# Altium PCB PCB_UDC_PlacaControle_V2.0.PcbDoc (part 1 of 7) (continued)
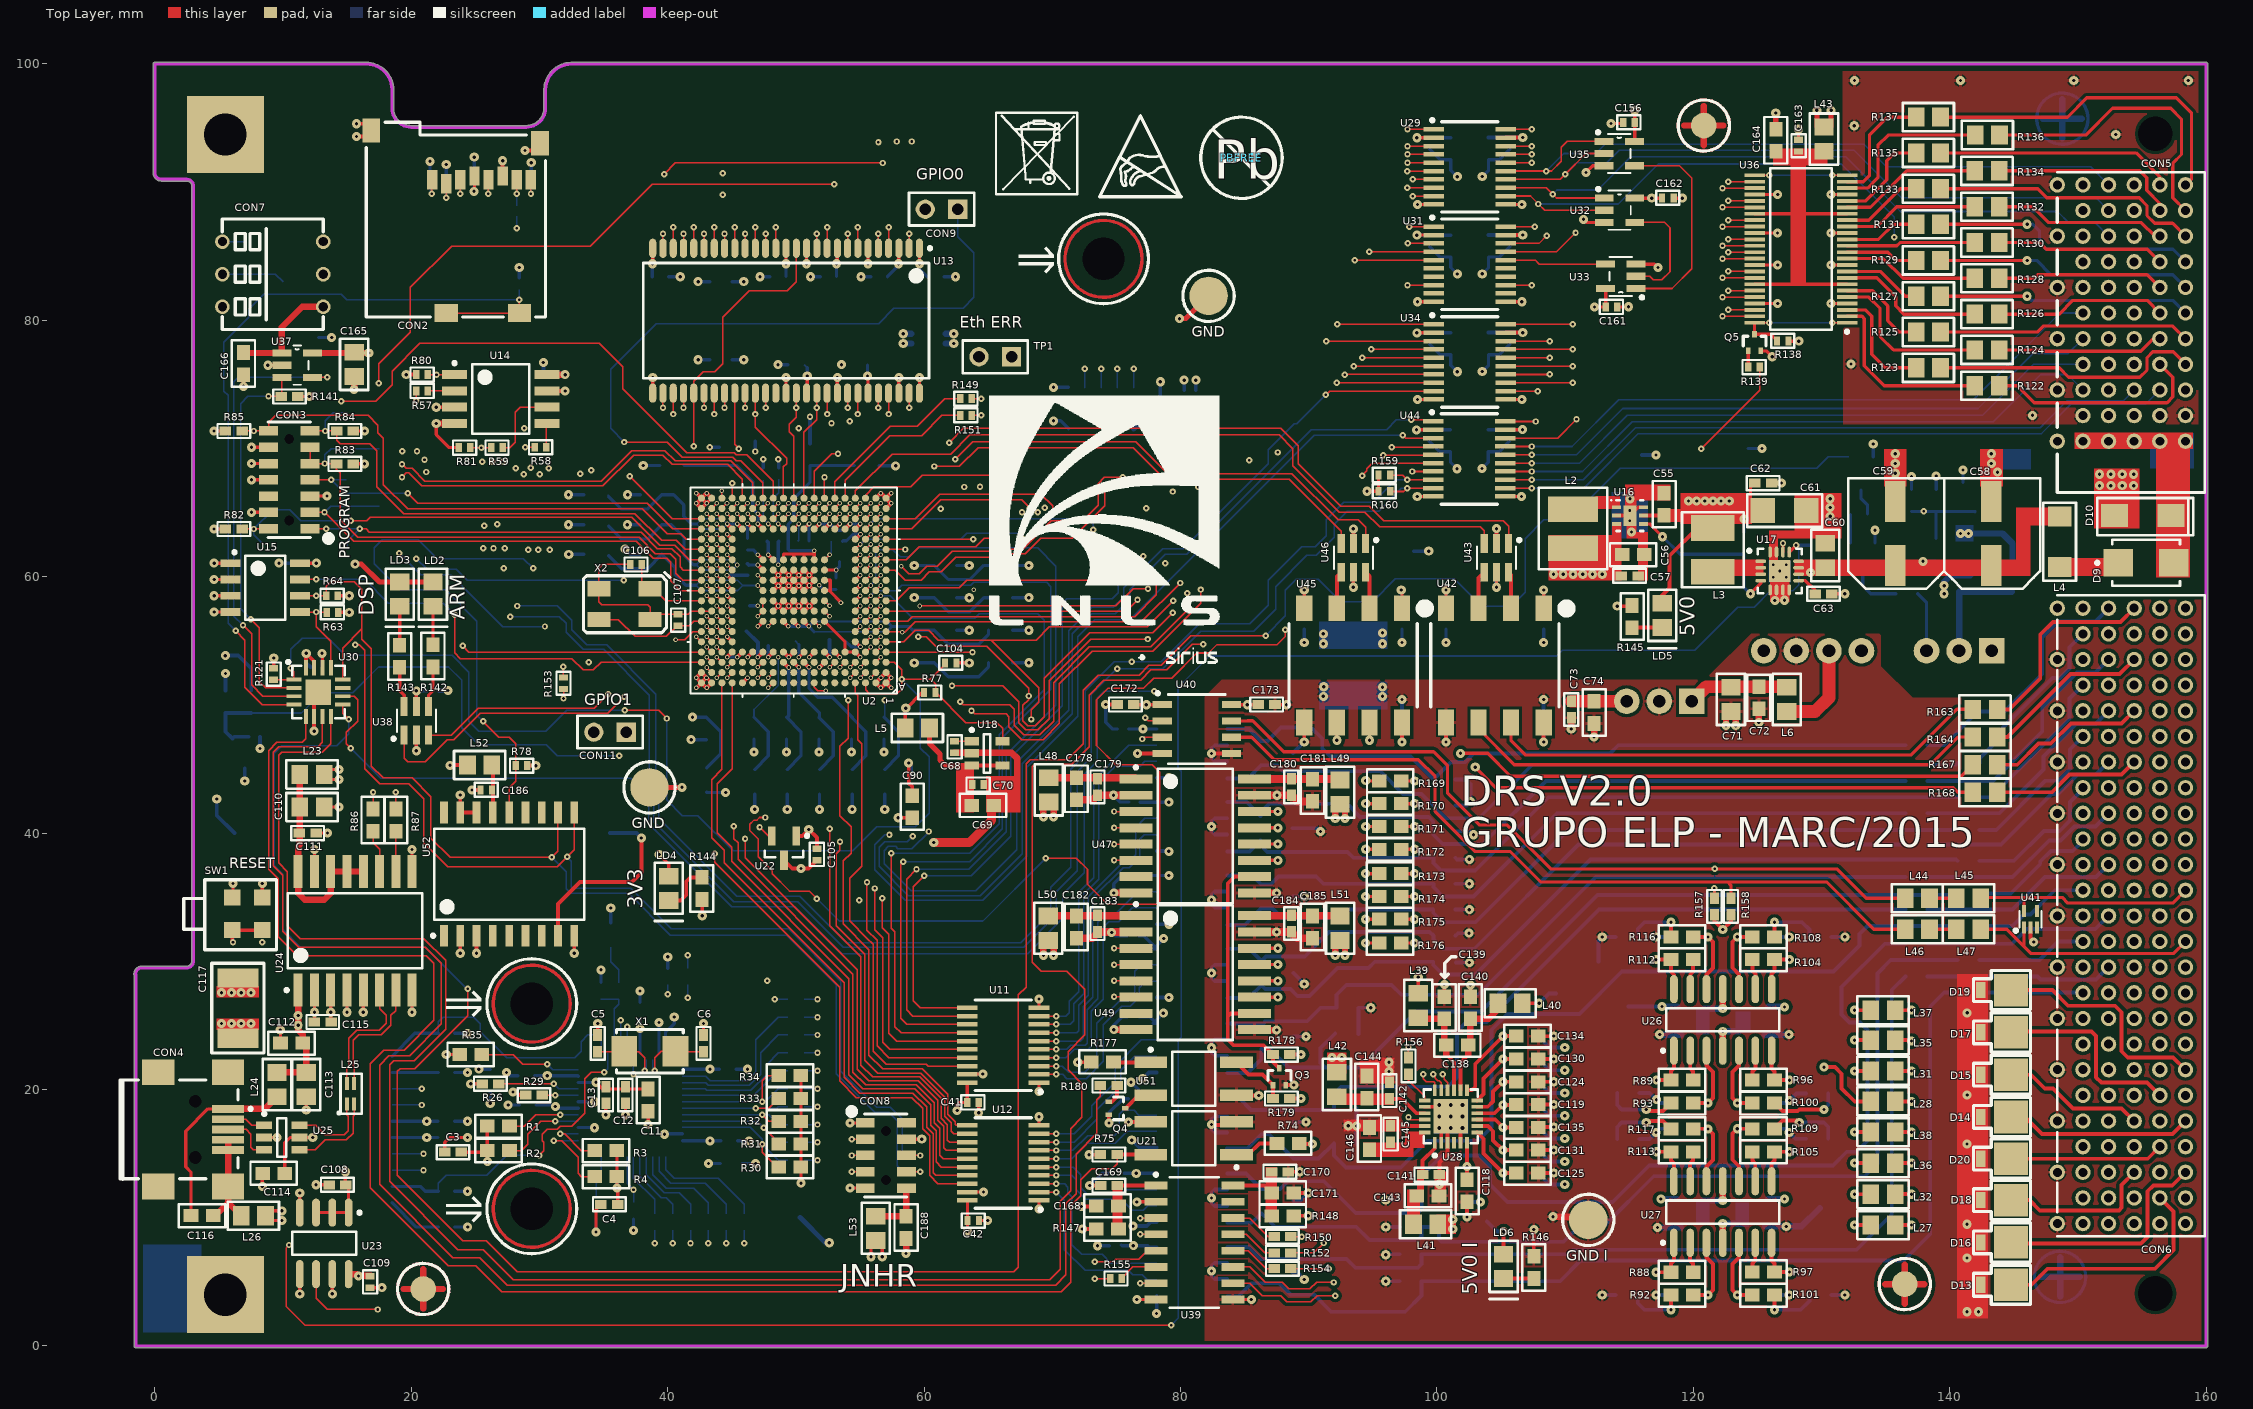
[diagram p0: Top Layer view]
## Components (designator, comment, footprint, x,y, rotation, side; value= is the part's Value field where it differs from the comment) (continued)
C176 "100nF" "0402 cap"#1 97.282,49.547 r270 bottom
C177 "100nF" "0402 cap"#1 93.488,62.121 r270 bottom
C178 "10uF" "0603 cap" 71.882,43.466 r90 top locked
C179 "100nF" "0402 cap"#1 73.533,42.958 r90 top locked
C180 "100nF" "0402 cap"#1 88.646,42.958 r90 top locked
C181 "10uF" "0603 cap" 90.297,43.339 r90 top locked
C182 "10uF" "0603 cap" 71.882,32.671 r90 top locked
C183 "100nF" "0402 cap"#1 73.533,32.29 r90 top locked
C184 "100nF" "0402 cap"#1 88.646,32.303 r90 top locked
C185 "10uF" "0603 cap" 90.297,32.671 r90 top locked
C186 "100nF" "0402 cap"#2 25.4,43.383 r0 top locked
C187 "1uF" "0603 cap" 101.053,70.587 r90 bottom locked
C188 "10uF" "0603 cap" 58.598,9.246 r90 top
C189 "10uF" "0603 cap" 78.435,73.076 r270 bottom locked
C190 "100nF" "0402 cap"#2 99.416,70.536 r90 bottom locked
C191 "100nF" "0402 cap"#2 105.664,70.561 r90 bottom locked
C192 "1uF" "0603 cap" 104.034,70.587 r90 bottom locked
CON1 "LPJ19201BGNL" LPj19201bgnl 18.5,16.891 r270 bottom locked
CON2 "101-00581-59" 101-00581-59 30.48,80.264 r0 top locked
CON3 "CLP-107-02-L-D-A-K-TR" CLP-107-02-L-D-A-K-TR 10.49,67.564 r90 top
CON4 "MUSB-05-S-B-SM-A-K-TR" MUSB-05-S-B-SM-A 5.715,16.891 r90 top locked (schematic designator CON3)
CON5 "374047" ERNI_374047 158.4,90.572 r0 top locked
CON6 "354144" ERNI_354144 158.4,57.547 r0 top locked
CON7 "BCS-103-L-D-HE" BCS-103-XXX-D-HE 9.2,83.6 r270 top locked
CON8 "CLP-105-02-L-D-A-K-TR" CLP-105-02-L-D-A-K-TR 57.023,14.859 r270 top locked
CON9 "Header 2" HDR1X2 62.636,88.671 r180 top locked
CON10 "CLP-105-02-L-D-A-K-TR" CLP-105-02-L-D-A-K-TR 73.812,73.152 r180 bottom locked
CON11 "Header 2" HDR1X2 36.779,47.879 r180 top locked
D1 "BAW156" SOT-23 87.529,46.244 r90 bottom locked
D2 "BAW156" SOT-23 87.503,40.386 r90 bottom locked
D3 "BAW156" SOT-23 87.529,35.065 r90 bottom locked
D4 "BAW156" SOT-23 87.564,29.083 r90 bottom locked
D5 "BAW156" SOT-23 87.564,24.13 r90 bottom locked
D6 "BAW156" SOT-23 87.564,17.469 r90 bottom locked
D7 "BAW156" SOT-23 87.564,11.303 r90 bottom locked
D8 "BAW156" SOT-23 87.529,5.842 r90 bottom locked
D9 "ES2A" DIOM5336X265N 155.321,61.087 r0 top locked
D10 "SMAJ16A" SMAJ16A 155.067,64.77 r180 top locked
D11 "BZX84C3V3" SOT95P240X130-3N 6.045,46.228 r90 bottom locked
D12 "BZX84C3V3" SOT95P240X130-3N 141.986,66.213 r270 bottom locked
D13 "UPTB10E3/TR13" DO-216AA 144.78,4.776 r180 top
D14 "UPTB10E3/TR13" DO-216AA 144.78,17.862 r180 top
D15 "UPTB10E3/TR13" DO-216AA 144.78,21.159 r180 top
D16 "UPTB10E3/TR13" DO-216AA 144.78,8.078 r180 top
D17 "UPTB10E3/TR13" DO-216AA 144.78,24.461 r180 top
D18 "UPTB10E3/TR13" DO-216AA 144.78,11.38 r180 top
D19 "UPTB10E3/TR13" DO-216AA 144.78,27.763 r180 top
D20 "UPTB10E3/TR13" DO-216AA 144.78,14.614 r180 top
L1 "220R/100Mhz" "0805 ferrit" 59.397,78.579 r0 bottom
L2 "VLCF4020T-2R2N1R7" Chip_inductor_VLCF4020 110.621,63.754 r270 top locked
L3 "XFL4020-332MEC" Chip_inductor_XFL4020 121.539,62.103 r90 top locked
L4 "60R/100Mhz" "1806 FERRIT" 148.59,62.738 r90 top locked
L5 "220R/100Mhz" "0805 ferrit" 60.427,48.209 r180 top locked
L6 "220R/100Mhz" "0805 ferrit" 127.292,51.389 r270 top locked
L7 "220R/100Mhz" "0805 ferrit" 144.907,58.876 r90 bottom
L8 "220R/100Mhz" "0805 ferrit" 51.853,44.958 r270 bottom locked
L9 "220R/100Mhz" "0805 ferrit" 49.327,44.958 r270 bottom locked
L10 "220R/100Mhz" "0805 ferrit" 54.393,44.958 r270 bottom locked
L11 "60R/100Mhz" "0805 ferrit" 35.382,61.747 r180 bottom locked
L12 "60R/100Mhz" "0805 ferrit" 35.382,64.059 r180 bottom locked
L13 "60R/100Mhz" "0805 ferrit" 65.024,60.884 r0 bottom locked
L14 "60R/100Mhz" "0805 ferrit" 65.024,58.369 r0 bottom locked
L15 "60R/100Mhz" "0805 ferrit" 65.024,53.293 r0 bottom locked
L16 "60R/100Mhz" "0805 ferrit" 54.61,68.656 r0 bottom locked
L17 "60R/100Mhz" "0805 ferrit" 46.787,44.958 r270 bottom locked
L18 "60R/100Mhz" "0805 ferrit" 43.053,45.086 r270 bottom locked
L19 "60R/100Mhz" "0805 ferrit" 35.382,66.396 r180 bottom locked
L20 "60R/100Mhz" "0805 ferrit" 41.275,68.682 r180 bottom locked
L21 "60R/100Mhz" "0805 ferrit" 56.933,44.958 r270 bottom locked
L22 "60R/100Mhz" "0805 ferrit" 65.024,55.829 r0 bottom locked
L23 "220R/100Mhz" "0805 ferrit" 11.303,44.577 r0 top locked
L24 "220R/100Mhz" "0805 ferrit" 9.525,19.431 r90 top locked
L25 "DLP11SN900HL2L" DLP11SN900 14.986,19.685 r90 top
L26 "220R/100Mhz" "0805 ferrit" 6.731,10.16 r0 top locked
L27 "220R/100Mhz" "0805 ferrit" 133.858,9.428 r0 top
L28 "220R/100Mhz" "0805 ferrit" 133.858,19.08 r0 top
L29 "220R/100Mhz" "0805 ferrit" 125.857,26.446 r180 bottom
L30 "220R/100Mhz" "0805 ferrit" 118.775,26.472 r0 bottom
L31 "220R/100Mhz" "0805 ferrit" 133.858,21.455 r0 top
L32 "220R/100Mhz" "0805 ferrit" 133.858,11.841 r0 top
L33 "220R/100Mhz" "0805 ferrit" 125.857,11.46 r180 bottom
L34 "220R/100Mhz" "0805 ferrit" 118.741,11.428 r0 bottom
L35 "220R/100Mhz" "0805 ferrit" 133.858,23.855 r0 top
L36 "220R/100Mhz" "0805 ferrit" 133.858,14.258 r0 top
L37 "220R/100Mhz" "0805 ferrit" 133.858,26.192 r0 top
L38 "220R/100Mhz" "0805 ferrit" 133.858,16.683 r0 top
L39 "220R/100Mhz" "0805 ferrit" 98.547,27.51 r270 top
L40 "220R/100Mhz" "0805 ferrit" 106.674,26.735 r180 top
L41 "220R/100Mhz" "0805 ferrit" 100.076,9.494 r180 top
L42 "220R/100Mhz" "0805 ferrit" 92.202,21.34 r270 top
L43 "220R/100Mhz" "0805 ferrit" 130.2,93.189 r90 top locked
L44 "1000R/100Mhz" "0805 ferrit" 138.43,34.925 r180 top locked
L45 "1000R/100Mhz" "0805 ferrit" 142.422,34.925 r180 top locked
L46 "1000R/100Mhz" "0805 ferrit" 138.43,32.512 r180 top locked
L47 "1000R/100Mhz" "0805 ferrit" 142.42,32.512 r180 top locked
L48 "220R/100Mhz" "0805 ferrit" 69.723,44.329 r270 top locked
L49 "220R/100Mhz" "0805 ferrit" 92.456,42.245 r90 top locked
L50 "220R/100Mhz" "0805 ferrit" 69.692,33.534 r270 top locked
L51 "220R/100Mhz" "0805 ferrit" 92.456,31.634 r90 top locked
L52 "220R/100Mhz" "0805 ferrit" 24.384,45.314 r0 top locked
L53 "220R/100Mhz" "0805 ferrit" 56.236,8.23 r90 top
L54 "220R/100Mhz" "0805 ferrit" 80.747,72.187 r90 bottom locked
LD1 "LTST-C170KRKT" 0805_LED 35.56,33.02 r270 bottom
LD2 "LTST-C170KRKT" 0805_LED 21.692,59.588 r270 top locked
LD3 "LTST-C170KRKT" 0805_LED 19.101,59.588 r270 top locked
LD4 "LTST-C170KRKT" 0805_LED 40.081,36.652 r270 top locked
LD5 "LTST-C170KRKT" 0805_LED 117.577,57.937 r270 top locked
LD6 "LTST-C170KRKT" 0805_LED 105.207,7.163 r270 top locked
PBFREE "" LEAD_FREE_S 84.76,92.685 r0 top
Q1 "MMUN2111LT1G" SOT23 133.223,61.341 r270 bottom locked
Q2 "MMUN2232LT1G" SOT23 133.096,68.072 r270 bottom locked
Q3 "NTA7002NT1G" SC75_SOT416 87.219,20.352 r0 top locked
Q4 "NTA7002NT1G" SC75_SOT416 74.412,19.035 r270 top locked
Q5 "NTA7002NT1G" SC75_SOT416 124.282,77.618 r0 top locked
R1 "49.9R" "0603 res" 26.797,17.145 r0 top locked
R2 "49.9R" "0603 res" 26.797,15.24 r0 top locked
R3 "49.9R" "0603 res" 35.179,15.24 r180 top locked
R4 "49.9R" "0603 res" 35.179,13.208 r180 top locked
R5 "33R" "0402 res"#1 45.974,9.017 r90 bottom locked
R6 "33R" "0402 res"#1 44.577,9.017 r90 bottom locked
R7 "33R" "0402 res"#1 43.18,9.017 r90 bottom locked
R8 "33R" "0402 res"#1 41.783,9.017 r90 bottom locked
R9 "33R" "0402 res"#1 40.386,9.017 r90 bottom locked
R10 "33R" "0402 res"#1 38.989,9.017 r90 bottom locked
R11 "33R" "0402 res"#1 50.673,25.654 r180 bottom
R12 "33R" "0402 res"#1 50.673,24.257 r180 bottom
R13 "33R" "0402 res"#1 50.673,21.463 r180 bottom
R14 "33R" "0402 res"#1 50.673,20.066 r180 bottom
R15 "33R" "0402 res"#1 50.673,18.669 r180 bottom
R16 "2.2K" "0603 res" 34.417,10.795 r270 bottom
R17 "33R" "0402 res"#1 50.673,17.272 r180 bottom
R18 "33R" "0402 res"#1 50.673,15.875 r180 bottom
R19 "33R" "0402 res"#1 50.673,14.478 r180 bottom
R20 "33R" "0402 res"#1 50.673,22.86 r180 bottom
R21 "33R" "0402 res"#1 41.554,29.464 r270 bottom locked
R22 "33R" "0402 res"#1 50.673,27.051 r180 bottom locked
R23 "2.21K" "0402 res"#1 22.098,12.065 r0 bottom
R24 "2.21K" "0402 res"#1 22.098,24.384 r0 bottom locked
R25 "2.21K" "0402 res"#1 34.798,27.051 r90 bottom
R26 "2.21K" "0402 res"#1 25.527,20.447 r0 top locked
R27 "330R" "0402 res"#1 22.098,21.336 r0 bottom locked
R28 "330R" "0402 res"#1 22.098,9.271 r0 bottom
R29 "2.21K" "0402 res"#1 30.226,19.558 r180 top locked
R30 "2.2K" "0603 res" 49.53,13.97 r0 top locked
R31 "2.2K" "0603 res" 49.53,15.748 r0 top locked
R32 "2.2K" "0603 res" 49.53,17.526 r0 top locked
R33 "2.2K" "0603 res" 49.53,19.304 r0 top locked
R34 "2.2K" "0603 res" 49.53,21.082 r0 top locked
R35 "4.87K" "0603 res" 24.638,22.733 r180 top locked
R36 "10K" "0402 res"#1 37.338,9.906 r90 bottom locked
R37 "10K" "0402 res"#1 40.005,29.464 r270 bottom
R38 "330R" "0402 res"#1 36.195,27.051 r90 bottom
R39 "330R" "0603 res" 137.414,46.863 r0 bottom
R40 "330R" "0603 res" 137.414,44.078 r0 bottom
R41 "330R" "0603 res" 141.478,45.466 r0 bottom
R42 "330R" "0603 res" 141.478,42.799 r0 bottom
R43 "330R" "0603 res" 137.414,41.555 r0 bottom
R44 "330R" "0603 res" 137.439,39.116 r0 bottom
R45 "330R" "0603 res" 141.478,40.259 r0 bottom
R46 "330R" "0603 res" 141.478,37.846 r0 bottom
R47 "330R" "0603 res" 137.414,36.576 r0 bottom
R48 "330R" "0603 res" 137.414,34.05 r0 bottom
R49 "330R" "0603 res" 141.478,35.306 r0 bottom
R50 "330R" "0603 res" 141.478,32.766 r0 bottom
R51 "330R" "0603 res" 137.41,31.369 r0 bottom
R52 "330R" "0603 res" 137.41,28.829 r0 bottom
R53 "330R" "0603 res" 141.478,30.099 r0 bottom
R54 "330R" "0603 res" 141.478,27.572 r0 bottom
R57 "49.9R" "0402 res"#2 20.396,74.498 r0 top locked
R58 "49.9R" "0402 res"#2 29.642,70.104 r0 top locked
R59 "49.9R" "0402 res"#2 26.238,70.079 r0 top locked
R60 "10K" "0402 res"#2 28.448,83.312 r270 bottom locked
R61 "10K" "0402 res"#2 22.733,91.338 r270 bottom locked
R62 "10K" "0402 res"#2 21.463,91.592 r270 bottom locked
R63 "10K" "0402 res"#2 14.3,57.226 r180 top locked
R64 "10K" "0402 res"#2 14.275,58.521 r180 top locked
R65 "49.9R" "0402 res"#2 28.219,88.087 r90 bottom locked
R66 "10K" "0402 res"#2 29.337,90.576 r90 bottom locked
R67 "4.99K" "0402 res"#1 129.159,61.202 r90 bottom locked
R68 "100K" "0603 res" 123.952,62.611 r270 bottom locked
R69 "10K" "0603 res" 5.512,50.241 r270 bottom locked
R70 "10K" "0603 res" 7.518,50.241 r90 bottom locked
R71 "10K" "0603 res" 138.938,62.141 r90 bottom locked
R72 "2K" "0603 res" 138.951,65.959 r90 bottom locked
R73 "10K" "0402 res"#1 133.604,64.897 r180 bottom locked
R74 "499R" "0603 res" 88.392,15.806 r180 top locked
R75 "10K" "0402 res"#1 73.759,14.933 r0 top locked
R76 "1K" "0603 res" 136.652,58.674 r180 bottom locked
R77 "2.21K" "0402 res"#2 60.897,50.978 r180 top locked
R78 "57.6K" "0402 res"#2 29.058,45.263 r180 top
R79 "57.6K" "0402 res"#1 46.838,70.587 r90 bottom locked
R80 "57.6K" "0402 res"#2 20.396,75.769 r0 top
R81 "57.6K" "0402 res"#2 24.613,70.079 r180 top locked
R82 "2.21K" "0402 res"#1 6.807,63.729 r180 top locked
R83 "2.21K" "0402 res"#1 15.469,68.809 r180 top locked
R84 "4.99K" "0402 res"#1 14.173,71.374 r0 top locked
R85 "4.99K" "0402 res"#1 6.807,71.374 r180 top locked
R86 "24R" "0603 res" 17.018,41.021 r270 top locked
R87 "24R" "0603 res" 18.796,41.021 r270 top locked
R88 "49.9R" "0603 res" 119.126,5.749 r180 top
R89 "49.9R" "0603 res" 119.13,20.735 r180 top
R90 "20R" "0603 res" 102.362,12.099 r90 bottom locked
R91 "20R" "0603 res" 107.061,18.83 r180 bottom locked
R92 "180R" "0603 res" 119.126,3.971 r0 top
R93 "180R" "0603 res" 119.13,18.957 r0 top
R94 "100K" "0603 res" 114.808,3.967 r180 bottom locked
R95 "100K" "0603 res" 114.935,19.732 r0 bottom
R96 "49.9R" "0603 res" 125.48,20.735 r0 top
R97 "49.9R" "0603 res" 125.476,5.769 r0 top
R98 "20R" "0603 res" 107.061,20.608 r180 bottom locked
R99 "20R" "0603 res" 107.061,13.483 r180 bottom locked
R100 "180R" "0603 res" 125.48,18.957 r180 top
R101 "180R" "0603 res" 125.476,3.971 r180 top
R102 "100K" "0603 res" 129.667,19.706 r180 bottom
R103 "100K" "0603 res" 129.921,3.967 r0 bottom locked
R104 "49.9R" "0603 res" 125.48,30.133 r0 top
R105 "49.9R" "0603 res" 125.476,15.147 r0 top
R106 "20R" "0603 res" 107.061,22.386 r180 bottom locked
R107 "20R" "0603 res" 107.061,15.274 r180 bottom locked
R108 "180R" "0603 res" 125.48,31.911 r180 top
R109 "180R" "0603 res" 125.476,16.941 r180 top
R110 "100K" "0603 res" 129.921,31.911 r0 bottom
R111 "100K" "0603 res" 129.667,16.159 r180 bottom
R112 "49.9R" "0603 res" 119.13,30.133 r180 top
R113 "49.9R" "0603 res" 119.126,15.147 r180 top
R114 "20R" "0603 res" 107.061,24.16 r180 bottom locked
R115 "20R" "0603 res" 107.061,17.052 r180 bottom locked
R116 "180R" "0603 res" 119.13,31.911 r0 top
R117 "180R" "0603 res" 119.126,16.941 r0 top
R118 "100K" "0603 res" 114.808,31.911 r180 bottom
R119 "100K" "0603 res" 114.935,16.15 r0 bottom
R121 "10K" "0402 res"#2 9.271,52.857 r270 top locked
R122 "110R" "0805 res" 143.866,74.901 r180 top locked
R123 "110R" "0805 res" 139.294,76.298 r180 top locked
R124 "110R" "0805 res" 143.866,77.695 r180 top locked
R125 "110R" "0805 res" 139.294,79.092 r180 top locked
R126 "110R" "0805 res" 143.866,80.489 r180 top locked
R127 "110R" "0805 res" 139.294,81.886 r180 top locked
R128 "110R" "0805 res" 143.866,83.283 r180 top locked
R129 "110R" "0805 res" 139.294,84.68 r180 top locked
R130 "110R" "0805 res" 143.866,86.077 r180 top locked
R131 "110R" "0805 res" 139.294,87.499 r180 top locked
R132 "110R" "0805 res" 143.866,88.871 r180 top locked
R133 "110R" "0805 res" 139.294,90.268 r180 top locked
R134 "110R" "0805 res" 143.866,91.665 r180 top locked
R135 "110R" "0805 res" 139.294,93.062 r180 top locked
R136 "110R" "0805 res" 143.891,94.459 r180 top locked
R137 "110R" "0805 res" 139.294,95.856 r180 top locked
R138 "10K" "0402 res"#2 127.432,78.406 r180 top locked
R139 "10K" "0402 res"#2 125.197,76.354 r180 top locked
R141 "10K" "0402 res"#1 11.151,74.066 r180 top locked
R142 "499R" "0603 res" 21.692,53.823 r270 top locked
R143 "499R" "0603 res" 19.101,53.797 r270 top locked
R144 "499R" "0603 res" 42.672,35.687 r270 top locked
R145 "499R" "0603 res" 115.24,56.896 r90 top locked
R146 "499R" "0603 res" 107.569,6.121 r90 top locked
R147 "49.9R" "0603 res" 74.301,9.125 r0 top locked
R148 "49.9R" "0603 res" 87.981,10.156 r0 top locked
R149 "49.9R" "0402 res"#2 62.814,73.889 r0 top locked
R150 "49.9R" "0402 res"#1 87.307,8.52 r0 top locked
R151 "49.9R" "0402 res"#2 62.814,72.593 r0 top locked
R152 "49.9R" "0402 res"#1 87.307,7.26 r0 top locked
R153 "49.9R" "0402 res"#2 31.877,52.146 r270 top
R154 "49.9R" "0402 res"#1 87.307,6.024 r0 top locked
R155 "49.9R" "0402 res"#2 74.524,5.258 r0 top locked
R156 "49.9R" "0402 res"#1 97.79,22.501 r270 top
R157 "4.99K" "0402 res"#1 121.654,33.638 r90 top
R158 "4.99K" "0402 res"#1 122.939,33.638 r90 top
R159 "4.99K" "0402 res"#2 95.453,67.945 r0 top locked
R160 "4.99K" "0402 res"#2 95.453,66.672 r0 top locked
R161 "680R" "0603 res" 100.716,56.769 r270 bottom
R162 "680R" "0603 res" 108.331,56.769 r270 bottom
R163 "160R" "0805 res" 143.706,49.657 r180 top
R164 "160R" "0805 res" 143.707,47.498 r180 top
R165 "680R" "0603 res" 89.662,56.792 r270 bottom
R166 "680R" "0603 res" 97.282,56.769 r270 bottom
R167 "160R" "0805 res" 143.706,45.339 r180 top
R168 "160R" "0805 res" 143.707,43.188 r180 top
R169 "49.9R" "0603 res" 96.364,44.078 r0 top
R170 "49.9R" "0603 res" 96.364,42.3 r0 top
R171 "49.9R" "0603 res" 96.364,40.522 r0 top
R172 "49.9R" "0603 res" 96.364,38.744 r0 top
R173 "49.9R" "0603 res" 96.359,36.843 r0 top
R174 "49.9R" "0603 res" 96.359,35.065 r0 top
R175 "49.9R" "0603 res" 96.359,33.287 r0 top
R176 "49.9R" "0603 res" 96.359,31.427 r0 top
R177 "499R" "0603 res" 73.914,22.157 r0 top locked
R178 "10K" "0402 res"#1 88.519,22.728 r180 top locked
R179 "10K" "0402 res"#1 88.519,19.304 r180 top locked
R180 "10K" "0402 res"#1 73.759,20.32 r0 top locked
SW1 "7914S-1-000E" 7914S-1-000E 7.2,33.7 r180 top locked
TP1 "Header 2" HDR1X2 66.827,77.161 r180 top locked
TP2 "TP_0.8mm" TP_SMD_0.8MM#1 98.2,62 r270 bottom locked
TP3 "TP_0.8mm" TP_SMD_0.8MM#1 124.3,70 r270 bottom locked
TP4 "TP_0.8mm" TP_SMD_0.8MM#1 116,69.5 r270 bottom locked
TP5 "TP_0.8mm" TP_SMD_0.8MM#2 103.886,9.728 r270 bottom
TP6 "TP_0.8mm" TP_SMD_0.8MM#1 109.3,27.5 r270 bottom locked
TP7 "TP_0.8mm" TP_SMD_0.8MM#1 112.6,30 r270 bottom locked
TP8 "TP_0.8mm" TP_SMD_0.8MM#1 114.9,26.5 r270 bottom locked
TP9 "TP_0.8mm" TP_SMD_0.8MM#1 53.4,61.2 r270 bottom locked
TP10 "TP_0.8mm" TP_SMD_0.8MM#1 59,44.5 r270 bottom locked
TP11 "TP_0.8mm" TP_SMD_0.8MM#1 15,72.8 r0 bottom locked
TP12 "TP_0.8mm" TP_SMD_0.8MM#1 17.5,70 r0 bottom locked
TP13 "TP_0.8mm" TP_SMD_0.8MM#1 15,67.5 r0 bottom locked
TP14 "TP_0.8mm" TP_SMD_0.8MM#1 17.5,65.5 r0 bottom locked
TP15 "TP_0.8mm" TP_SMD_0.8MM#1 15,62.4 r0 bottom locked
TP16 "TP_0.8mm" TP_SMD_0.8MM#1 8.5,62.5 r0 bottom locked
TP17 "TP_0.8mm" TP_SMD_0.8MM#1 8.5,71.3 r0 bottom locked
TP18 "TP_0.8mm" TP_SMD_0.8MM#1 8.5,67.5 r270 bottom locked
TP19 "TP_0.8mm" TP_SMD_0.8MM#1 12.754,78.689 r270 bottom locked
TP20 "TP_0.8mm" TP_SMD_0.8MM#1 157.5,69 r270 bottom locked
TP21 "TP_0.8mm" TP_SMD_0.8MM#1 145.5,69.3 r270 bottom locked
TP22 "TP_0.8mm" TP_SMD_0.8MM#1 10,83 r270 bottom locked
TP23 "TP_0.8mm" TP_SMD_0.8MM#1 7,86.2 r270 bottom locked
U1 "TLK110PT" TI-PT48_N 37.084,18.796 r90 bottom locked
U2 "F28M36P63C2ZWTT" ZWT289 49.835,58.928 r180 top locked
U3 "TLP2160(F)" 11-5K1S 80.899,46.228 r180 bottom locked
U4 "TLP2160(F)" 11-5K1S 80.899,40.513 r180 bottom locked
U5 "TLP2160(F)" 11-5K1S 80.899,34.798 r180 bottom locked
U6 "TLP2160(F)" 11-5K1S 80.899,29.083 r180 bottom locked
U7 "TLP2160(F)" 11-5K1S 80.899,23.241 r180 bottom locked
U8 "TLP2160(F)" 11-5K1S 80.886,17.374 r180 bottom locked
U9 "TLP2160(F)" 11-5K1S 80.899,11.557 r180 bottom locked
U10 "TLP2160(F)" 11-5K1S 80.899,5.816 r180 bottom locked
U11 "SN74LVC540APWR" PW20 66.167,23.459 r180 top locked
U12 "SN74LVC540APWR" PW20 66.167,14.275 r180 top locked
U13 "MT48LC32M16A2P-75 IT:C" MICT-P-54_N 49.237,79.976 r270 top locked
U14 "W25Q128FVSIG" SOIC08W 26.975,73.863 r0 top
U15 "AT24C64D-SSHM-T" SOIC127P600X175-8N 8.611,59.157 r0 top locked
U16 "TPS62291DRVT" DRV6-1600X1000TP 115.066,64.77 r0 top locked
U17 "TPS62143RGTR" RGT16-1700X1700TP 126.746,60.452 r0 top locked
U18 "LP3470M5-3.08" MF05A_N 64.922,46.228 r0 top locked
U19 "R-78E5.0-0.5" SIP3 119.888,50.292 r270 bottom locked
U20 "RS-0515D/H3" SIP7 134.391,54.229 r270 bottom locked
U21 "HCPL-181-000E" HCPL-181-000E 81.026,16.203 r180 top locked
U22 "MCP9701T-E/TT" SOT-23-TT3_N 49.073,38.837 r270 top locked
U23 "ADUM1100ARZ-RL7" ADI-R-8_N 13.208,8.001 r270 top locked
U24 "ADUM4160BRWZ-RL" SOIC16_Wb 15.621,32.385 r90 top locked
U25 "USBLC6-2SC6" SOT23-6 9.906,16.256 r0 top locked
U26 "OPA4140AID" TI-D14_N 122.305,25.434 r90 top locked
U27 "OPA4140AID" TI-D14_N 122.301,10.448 r90 top locked
U28 "ADS8638SRGER" VQFN24 101.091,17.906 r90 top
U29 "TXB0108PWR" PW20 102.565,91.973 r0 top locked
U30 "PCA9538BS,118" HVQFN16 12.751,51.003 r0 top
U31 "TXB0108PWR" PW20 102.565,84.379 r0 top locked
U32 "SN74LVC1G08DBVR" DBV5 114.249,88.595 r0 top locked
U33 "SN74LVC1G08DBVR" DBV5 114.351,83.438 r180 top locked
U34 "TXB0108PWR" PW20 102.565,76.759 r0 top locked
U35 "SN74LVC1G08DBVR" DBV5 114.224,93.015 r0 top locked
U36 "IDT74FCT162244ET" TSSOP48 128.397,85.569 r180 top locked
U37 "TPS2051BDBVR" DBV5 11.1,76.505 r0 top locked
U38 "SN74LVC2G06DBVR" DBV6 20.396,48.768 r90 top locked
U39 "Si8662BC-B-IS1R" SO16 81.084,8.069 r0 top locked
U40 "ISO1540DR" SOIC08D 81.28,48.117 r0 top locked
U41 "TPD4E002DRLR" DRL5 146.304,33.287 r90 top locked
U42 "HCPL-2231-300E" HCPL-300E 104.521,53.083 r270 top locked
U43 "SN74LVC2G06DBVR" DBV6 104.648,61.468 r270 top
U44 "TXB0108PWR" PW20 102.54,69.19 r0 top locked
U45 "HCPL-2231-300E" HCPL-300E 93.472,53.086 r270 top locked
U46 "SN74LVC2G06DBVR" DBV6 93.488,61.468 r270 top
U47 "ADUM1400CRWZ" SOIC16_Wb 81.153,39.783 r0 top locked
U49 "ADUM1400CRWZ" SOIC16_Wb 81.153,29.115 r0 top locked
U51 "HCPL-181-000E" HCPL-181-000E 81.026,20.843 r0 top locked
U52 "M41T83ZMY6F" SOX18 27.635,36.805 r90 top locked
X1 "25MHZ, 50ppm" 2-SMD 38.608,22.987 r0 top locked
X2 "ABM3B-20.000MHZ-10-1-U-T" Crystal_ABM3B 38.633,59.064 r180 top locked
? "Comment" Fiducial 148.615,5.385 r180 bottom locked
? "Comment" Fiducial 148.793,95.733 r180 bottom
? "Comment" Fiducial 20.93,4.445 r180 bottom locked
? "Comment" Fiducial 136.5,4.826 r0 top locked
? "Comment" Fiducial 20.93,4.445 r0 top locked
? "Comment" Fiducial 120.828,95.199 r0 top locked

## Footprints (in the part's own frame and the unit in brackets; to place one, negate y for a bottom-side part, rotate by r counter-clockwise, add the part's x,y. Pads: shape width x height; smd on the part's side, far side on the other; paste and mask are expansions set on the pad)
2-SMD [mm]
  rect 2x2.4 smd: 1(-2,0) 2(2,0)
  silkscreen extent -2.6,-1.7 2.6,1.7, body extent -2.6,-1.7 2.6,1.7, height 1.3
11-5K1S [mm]
  rect 1.2x0.8 smd: 1(-2.75,1.905) 2(-2.75,0.635) 3(-2.75,-0.635) 4(-2.75,-1.95) 5(2.75,-1.905) 6(2.75,-0.635) 7(2.75,0.635) 8(2.75,1.905)
  silkscreen extent -2.85,-2.6 2,3.1, body extent -3,-2.53 3.01,2.47, height 3.28
101-00581-59 [mm]
  rect 0.8x1.5 smd: 1(-8.85,10.7) 2(-7.75,10.4) 3(-6.65,10.7) 4(-5.55,11) 5(-4.45,10.7) 6(-3.35,11) 7(-2.25,10.7) 8(-1.15,10.7)
  rect 1.4x1.9 smd: 9(-13.6,14.55) 9(-0.45,13.55)
  rect 1.8x1.4 smd: 10(-7.75,0.3) 10(-2.05,0.3)
  silkscreen extent -14,0 0,15.2, body extent -14.09,0.04 0.16,15.24, height 1.89
"0402 cap"#1 [mm] "SMD 0402"
  rect 0.9x0.7 smd: 1(0,0) 2(1.3,0)
  silkscreen extent -0.63,-0.55 1.92,0.55, body extent 0.14,-0.3 1.14,0.3, height 0.2
"0402 cap"#2 [mm] "SMD 0402"
  rect 0.5x0.7 smd: 1(0,0) 2(0.9,0)
  silkscreen extent -0.45,-0.55 1.35,0.55, body extent -0.03,-0.3 0.97,0.3, height 0.2
"0402 res"#1 [mm] "SMD 0402"
  rect 0.9x0.7 smd: 1(0,0) 2(1.3,0)
  silkscreen extent -0.63,-0.55 1.92,0.55, body extent 0.13,-0.25 1.13,0.25, height 0.33
"0402 res"#2 [mm] "SMD 0402"
  rect 0.5x0.7 smd: 1(0,0) 2(0.9,0)
  silkscreen extent -0.45,-0.55 1.35,0.55, body extent -0.06,-0.25 0.94,0.25, height 0.33
"0603 cap" [mil]
  rect 45x40 smd: 1(-33.96,0) 2(33.97,0)
  silkscreen extent -71,-35 71,36, body extent -31,-16 31,16, height 12
"0603 res" [mil]
  rect 45x40 smd: 1(-33.96,0) 2(33.97,0)
  silkscreen extent -71,-35 71,36, body extent -31,-16 31,16, height 17
"0805 cap" [mm]
  rect 1.3x1.5 smd: 1(1.9,0) 2(0,0)
  silkscreen extent -1.05,-1.1 2.95,1.1, body extent 0.02,-0.62 2.02,0.63, height 0.78
"0805 ferrit" [mm]
  rect 1.3x1.5 smd: 1(1.9,0) 2(0,0)
  silkscreen extent -1.05,-1.1 2.95,1.1, body extent 0.02,-0.6 2.02,0.6, height 0.95
"0805 res" [mm]
  rect 1.3x1.5 smd: 1(1.9,0) 2(0,0)
  silkscreen extent -1.05,-1.1 2.95,1.1, body extent 0.02,-0.63 2.02,0.63, height 0.59
0805_LED [mm]
  rect 1.3x1.5 smd: 1(1.9,0) 2(0,0)
  silkscreen extent -1.05,-1.1 3.5,1.1, body extent 0.01,-0.62 2.03,0.63, height 1.1
"1206 CAP" [mm]
  rect 1.9x1.95 smd: 1(-1.7,0) 2(1.7,0)
  silkscreen extent -2.92,-1.27 2.92,1.27, body extent -1.6,-0.8 1.6,0.8, height 1
"1806 FERRIT" [mm] "1806 smd chip component package"
  rect 1.55x1.8 smd: 1(-1.975,0) 2(1.975,0)
  silkscreen extent -3.05,-1.27 3.05,1.27, body extent -2.26,-0.81 2.24,0.79, height 1.62
"1812 CAP" [mm]
  rect 1.52x3.2 smd: 1(0,0) 2(4.7,0)
  silkscreen extent -1.14,-2.03 5.84,2.03, body extent 0.16,-1.6 4.66,1.6, height 1.6
7914S-1-000E [mm] "Switch tactil NO, 90°, SMD, Bourns"
  rect 1.3x1.25 smd: 1(-1.165,1.27) 1(1.165,1.27) 2(-1.165,-1.27) 2(1.165,-1.27)
  silkscreen extent -2.29,-2.67 4.95,2.79, body extent -2.01,-2.46 4.83,2.59, height 5.45
ADI-R-8_N [mm] "SOIC, 8-Leads, Body 4.9x3.9mm, Pitch 1.27mm, IPC Medium Density"
  oval 2.2x0.6 smd: 1(-2.4,1.905) 2(-2.4,0.635) 3(-2.4,-0.635) 4(-2.4,-1.905) 5(2.4,-1.905) 6(2.4,-0.635) 7(2.4,0.635) 8(2.4,1.905)
  silkscreen extent -2.52,-2.5 0.9,2.88, body extent -2,-2.5 2,2.5, height 1.75
BCS-103-XXX-D-HE [mil]
  round 45 hole 28 mask+3: 1(100,-155) 2(100,155) 3(0,-155) 4(0,155) 5(-100,-155) 6(-100,155)
  silkscreen extent -170,-155 170,155, body extent -150,-160 150,160, height 225
BU2032SM-HD-G [mm] "Battery holder"
  rect 3.5x4.5 smd: +(0,0) -(29.3,0)
  silkscreen extent -0.07,-10.18 29.46,10.15, body extent -1.39,-10 30.61,10, height 5.3
CAP_ALUM_case_D8 [mm]
  rect 3.2x1.6 smd: 1(2.5,0) 2(-2.5,0)
  silkscreen extent -4.32,-3.68 4.32,3.81, body extent -3.5,-3.3 3.5,3.3, height 7.7
Chip_inductor_VLCF4020 [mm]
  rect 2x3.9 smd: 1(-1.525,0) 2(1.525,0)
  silkscreen extent -3.18,-2.67 3.18,2.67, body extent -1.92,-1.92 1.93,1.93, height 1.65
Chip_inductor_XFL4020 [mm]
  rect 2x3.4 smd: 1(-1.7,0) 2(1.7,0)
  Mechanical 13 keep-out lines w0.1: -2.15,2.15 2.15,2.15
  silkscreen extent -2.92,-2.41 2.92,2.41, body extent -2.15,-2.15 2.15,2.15, height 2.1
CLP-105-02-L-D-A-K-TR [mm]
  round 0 hole 0.762 unplated: 0(-1.905,0) 0(1.905,0)
  rect 0.74x1.47 smd: 1(-2.54,-1.615) 2(-2.54,1.615) 3(-1.27,-1.615) 4(-1.27,1.615) 5(0,-1.615) 6(0,1.615) 7(1.27,-1.615) 8(1.27,1.615) 9(2.54,-1.615) 10(2.54,1.615)
  silkscreen extent -3.68,-2.92 3.23,1.66, body extent -3.39,-2.16 3.39,2.16, height 2.33
CLP-107-02-L-D-A-K-TR [mm]
  round 0 hole 0.762 unplated: 0(-3.175,0) 0(3.175,0)
  rect 0.74x1.47 smd: 1(-3.81,-1.615) 2(-3.81,1.615) 3(-2.54,-1.615) 4(-2.54,1.615) 5(-1.27,-1.615) 6(-1.27,1.615) 7(0,-1.615) 8(0,1.615) 9(1.27,-1.615) 10(1.27,1.615) 11(2.54,-1.615) 12(2.54,1.615) 13(3.81,-1.615) 14(3.81,1.615)
  silkscreen extent -4.82,-3.3 4.5,1.66, body extent -4.66,-2.16 4.66,2.16, height 2.33
Crystal_ABM3B [mm]
  rect 1.8x1.2 smd: 1(0,0) 2(4,0) 3(4,2.4) 4(0,2.4)
  silkscreen extent -1.52,-1.27 5.21,3.43, body extent -0.45,-0.34 4.55,2.86, height 1.1
DBV5 [mil]
  rect 58x22 smd: 1(-47,37.4) 2(-47,0) 3(-47,-37.4) 4(47,-37.4) 5(47,37.4)
  silkscreen extent -70,-60 34,70, body extent -56,-57 56,58, height 42
DBV6 [mil]
  rect 58x22 smd: 1(-44,37.4) 2(-44,0) 3(-44,-37.4) 4(44,-37.4) 5(44,0) 6(44,37.4)
  silkscreen extent -60,-60 35,75, body extent -56,-57 56,58, height 43
DIOM5336X265N [mm] "DO-214-AA/SMB Diode, Molded Body; 5.34mm L X 3.625mm W X 2.65mm H, IPC Medium Density"
  rect 2.3x2.15 smd: 1(-2.15,0) 2(2.15,0)
  silkscreen extent -3.92,-1.8 2.65,1.8, body extent -2.7,-1.95 2.7,1.95, height 2.4
DLP11SN900 [mm] "CHOKE"
  rect 1x0.3 smd: 1(-0.8,0) 2(0.8,0) 3(0.8,-0.55) 4(-0.8,-0.55)
  silkscreen extent -1.62,-1.14 1.55,0.72, body extent -0.65,-0.76 0.65,0.24, height 0.82
DO-216AA [mm]
  rect 2.67x2.54 smd: 1(0,0)
  rect 0.76x1.27 smd: 2(2.355,0)
  silkscreen extent -1.52,-1.52 2.92,1.52, body extent -1.12,-1 2.73,1, height 1.01
DRL5 [mil]
  rect 36x12 smd: 1(-25.5,19.69) 2(-25.5,0) 3(-25.5,-19.69) 4(25.5,-19.69) 5(25.5,19.69)
  silkscreen extent -40,-33 26,50, body extent -33,-33 33,33, height 23
DRV6-1600X1000TP [mm] "SON, 6-Leads, Body 2x2mm, Pitch 0.65mm, Thermal Pad 1.6x1mm, TI Recommended"
  rect 0.7x0.3 smd paste-0.025 mask+0.07: 1(-1.05,0.65) 2(-1.05,0) 3(-1.05,-0.65) 4(1.05,-0.65) 5(1.05,0) 6(1.05,0.65)
  rect 1x1.6 smd paste-0.5 mask+0.07: 7(0,0)
  silkscreen extent -1.5,-1.2 1.05,1.25, body extent -1.05,-1.05 1.05,1.05, height 0.8
ERNI_354144 [mm] "125 POS.Right Angle Press Fit Receptacle"
  round 1.2 hole 0.7: A1(0,0) A2(0,-2) A3(0,-4) A4(0,-6) A5(0,-8) A6(0,-10) A7(0,-12) A8(0,-14) A9(0,-16) A10(0,-18) A11(0,-20) A12(0,-22) A13(0,-24) A14(0,-26) A15(0,-28) A16(0,-30) A17(0,-32) A18(0,-34) A19(0,-36) A20(0,-38) A21(0,-40) A22(0,-42) A23(0,-44) A24(0,-46) A25(0,-48) B1(-2,0) B2(-2,-2) B3(-2,-4) B4(-2,-6) B5(-2,-8) B6(-2,-10) B7(-2,-12) B8(-2,-14) B9(-2,-16) B10(-2,-18) B11(-2,-20) B12(-2,-22) B13(-2,-24) B14(-2,-26) B15(-2,-28) B16(-2,-30) B17(-2,-32) B18(-2,-34) B19(-2,-36) B20(-2,-38) B21(-2,-40) B22(-2,-42) B23(-2,-44) B24(-2,-46) B25(-2,-48) C1(-4,0) C2(-4,-2) C3(-4,-4) C4(-4,-6) C5(-4,-8) C6(-4,-10) C7(-4,-12) C8(-4,-14) C9(-4,-16) C10(-4,-18) C11(-4,-20) C12(-4,-22) C13(-4,-24) C14(-4,-26) C15(-4,-28) C16(-4,-30) C17(-4,-32) C18(-4,-34) C19(-4,-36) C20(-4,-38) C21(-4,-40) C22(-4,-42) C23(-4,-44) C24(-4,-46) C25(-4,-48) D1(-6,0) D2(-6,-2) D3(-6,-4) D4(-6,-6) D5(-6,-8) D6(-6,-10) D7(-6,-12) D8(-6,-14) D9(-6,-16) D10(-6,-18) D11(-6,-20) D12(-6,-22) D13(-6,-24) D14(-6,-26) D15(-6,-28) D16(-6,-30) D17(-6,-32) D18(-6,-34) D19(-6,-36) D20(-6,-38) D21(-6,-40) D22(-6,-42) D23(-6,-44) D24(-6,-46) D25(-6,-48) E1(-8,0) E2(-8,-2) E3(-8,-4) E4(-8,-6) E5(-8,-8) E6(-8,-10) E7(-8,-12) E8(-8,-14) E9(-8,-16) E10(-8,-18) E11(-8,-20) E12(-8,-22) E13(-8,-24) E14(-8,-26) E15(-8,-28) E16(-8,-30) E17(-8,-32) E18(-8,-34) E19(-8,-36) E20(-8,-38) E21(-8,-40) E22(-8,-42) E23(-8,-44) E24(-8,-46) E25(-8,-48) Mec1(-10,0) Mec2(-10,-4) Mec3(-10,-8) Mec4(-10,-12) Mec5(-10,-16) Mec6(-10,-20) Mec7(-10,-24) Mec8(-10,-28) Mec9(-10,-32) Mec10(-10,-36) Mec11(-10,-40) Mec12(-10,-44) Mec13(-10,-48)
  silkscreen extent -10,-49 1.5,1, body extent -10.07,-49.02 10.84,0.98, height 8.09
ERNI_374047 [mm] "55 POS.Right Angle Press Fit Receptacle"
  round 1.2 hole 0.7: A1(0,0) A2(0,-2) A3(0,-4) A4(0,-6) A5(0,-8) A6(0,-10) A7(0,-12) A8(0,-14) A9(0,-16) A10(0,-18) A11(0,-20) B1(-2,0) B2(-2,-2) B3(-2,-4) B4(-2,-6) B5(-2,-8) B6(-2,-10) B7(-2,-12) B8(-2,-14) B9(-2,-16) B10(-2,-18) B11(-2,-20) C1(-4,0) C2(-4,-2) C3(-4,-4) C4(-4,-6) C5(-4,-8) C6(-4,-10) C7(-4,-12) C8(-4,-14) C9(-4,-16) C10(-4,-18) C11(-4,-20) D1(-6,0) D2(-6,-2) D3(-6,-4) D4(-6,-6) D5(-6,-8) D6(-6,-10) D7(-6,-12) D8(-6,-14) D9(-6,-16) D10(-6,-18) D11(-6,-20) E1(-8,0) E2(-8,-2) E3(-8,-4) E4(-8,-6) E5(-8,-8) E6(-8,-10) E7(-8,-12) E8(-8,-14) E9(-8,-16) E10(-8,-18) E11(-8,-20) Mec1(-10,0) Mec2(-10,-4) Mec3(-10,-8) Mec4(-10,-12) Mec5(-10,-16) Mec6(-10,-20)
  silkscreen extent -10,-24 1.5,1, body extent -10.11,-24 12.4,1, height 8.12
Fiducial [mm]
  round 2 smd paste-5 mask+1: FD(0,0)
  Top Layer circle w0.254: c0,0 r2
  Top Layer lines w0.5: 1.524,0 0,0 ; 0,-1.524 0,0 ; 0,1.524 0,0 ; -1.524,0 0,0
  silkscreen extent -2,-2 2,2
HCPL-181-000E [mm]
  rect 2.55x0.9 smd: 1(-3.35,1.27) 2(-3.35,-1.27) 3(3.35,-1.27) 4(3.35,1.27)
  silkscreen extent -3.48,-2.1 1.67,2.39, body extent -3.63,-1.8 3.37,1.8, height 2.1
HCPL-300E [mm]
  rect 2x1.27 smd: 1(-4.45,3.81) 2(-4.45,1.27) 3(-4.45,-1.27) 4(-4.45,-3.81) 5(4.45,-3.81) 6(4.45,-1.27) 7(4.45,1.27) 8(4.45,3.81)
  silkscreen extent -4.8,-5 3.25,5.95, body extent -4.95,-4.95 4.95,4.95, height 4.33
HDR1X2 [mm] "Connector; Header; 2 Position"
  rect 1.5x1.5 hole 0.9: 1(0,0)
  round 1.5 hole 0.9: 2(2.54,0)
  silkscreen extent -1.27,-1.27 3.81,1.27
HVQFN16 [mm]
  rect 1.2x0.3 smd: 1(-1.9,0.975) 2(-1.9,0.325) 3(-1.9,-0.325) 4(-1.9,-0.975) 9(1.9,-0.975) 10(1.9,-0.325) 11(1.9,0.325) 12(1.9,0.975)
  rect 0.3x1.2 smd: 5(-0.975,-1.9) 6(-0.325,-1.9) 7(0.325,-1.9) 8(0.975,-1.9) 13(0.975,1.9) 14(0.325,1.9) 15(-0.325,1.9) 16(-0.975,1.9)
  rect 2x2 smd paste-5: 6(0,0)
  silkscreen extent -2.47,-2.05 2.05,2.47, body extent -2.05,-2.05 2.02,2.02, height 1
LEAD_FREE_S [mm]
  silkscreen extent -3.17,-3.17 3.17,3.17
LPj19201bgnl [mm]
  rect 0.8x3.5 smd: 1(-3.175,0) 2(-1.905,0) 3(-0.635,0) 6(0.635,0) 7(1.905,0) 8(3.175,0) 9(-5.715,0) 10(-4.445,0) 11(4.445,0) 12(5.715,0)
  rect 4.5x4.6 smd: Shield(-7.02,17.15) Shield(7.02,17.15)
  silkscreen extent -9,0 9.02,24, body extent -8.4,-1.02 8.4,23.36, height 14.05
MF05A_N [mm] "SOT23, 5-Leads, Body 2.9x1.6mm, Pitch 0.95mm, Lead Span 2.8mm, IPC Medium Density"
  rect 1.1x0.65 smd: 1(-1.2,0.95) 2(-1.2,0) 3(-1.2,-0.95) 4(1.2,-0.95) 5(1.2,0.95)
  silkscreen extent -1.32,-1.5 0.25,1.95, body extent -0.83,-1.49 0.83,1.5, height 1.19
MICT-P-54_N [mm] "SOP, 54-Leads, Body 22.22x10.16mm, Pitch 0.8mm, IPC Medium Density"
  oval 1.5x0.55 smd: 1(-5.65,10.4) 2(-5.65,9.6) 3(-5.65,8.8) 4(-5.65,8) 5(-5.65,7.2) 6(-5.65,6.4) 7(-5.65,5.6) 8(-5.65,4.8) 9(-5.65,4) 10(-5.65,3.2) 11(-5.65,2.4) 12(-5.65,1.6) 13(-5.65,0.8) 14(-5.65,0) 15(-5.65,-0.8) 16(-5.65,-1.6) 17(-5.65,-2.4) 18(-5.65,-3.2) 19(-5.65,-4) 20(-5.65,-4.8) 21(-5.65,-5.6) 22(-5.65,-6.4) 23(-5.65,-7.2) 24(-5.65,-8) 25(-5.65,-8.8) 26(-5.65,-9.6) 27(-5.65,-10.4) 28(5.65,-10.4) 29(5.65,-9.6) 30(5.65,-8.8) 31(5.65,-8) 32(5.65,-7.2) 33(5.65,-6.4) 34(5.65,-5.6) 35(5.65,-4.8) 36(5.65,-4) 37(5.65,-3.2) 38(5.65,-2.4) 39(5.65,-1.6) 40(5.65,-0.8) 41(5.65,0) 42(5.65,0.8) 43(5.65,1.6) 44(5.65,2.4) 45(5.65,3.2) 46(5.65,4) 47(5.65,4.8) 48(5.65,5.6) 49(5.65,6.4) 50(5.65,7.2) 51(5.65,8) 52(5.65,8.8) 53(5.65,9.6) 54(5.65,10.4)
  silkscreen extent -5.77,-11.15 4.5,11.35, body extent -5.1,-11.15 5.1,11.15, height 0.05
MUSB-05-S-B-SM-A [mm] "mini usb tipo B Samtec"
  rect 0.6x2.5 smd: 1(1.6,0) 2(0.8,0) 3(0,0) 4(-0.8,0) 5(-1.6,0)
  rect 2x2.5 smd: 6(-4.45,0) 7(-4.45,5.45) 8(4.45,0) 9(4.45,5.45)
  round 0.6 hole 1 unplated: MH1(-2.2,2.56)
  round 0 hole 1 unplated: MH2(2.2,2.56)
  silkscreen extent -3.85,-1.88 3.85,8.43, body extent -4.95,-1.09 4.95,8.41, height 4
PW20 [mm]
  rect 1.6x0.35 smd: 1(-2.8,2.925) 2(-2.8,2.275) 3(-2.8,1.625) 4(-2.8,0.975) 5(-2.8,0.325) 6(-2.8,-0.325) 7(-2.8,-0.975) 8(-2.8,-1.625) 9(-2.8,-2.275) 10(-2.8,-2.925) 11(2.8,-2.925) 12(2.8,-2.275) 13(2.8,-1.625) 14(2.8,-0.975) 15(2.8,-0.325) 16(2.8,0.325) 17(2.8,0.975) 18(2.8,1.625) 19(2.8,2.275) 20(2.8,2.925)
  silkscreen extent -3.05,-3.52 2.2,3.77, body extent -3.22,-3.25 3.2,3.25, height 0.98